# Altium PCB PCB_CAR.PcbDoc (part 1 of 3) (continued)
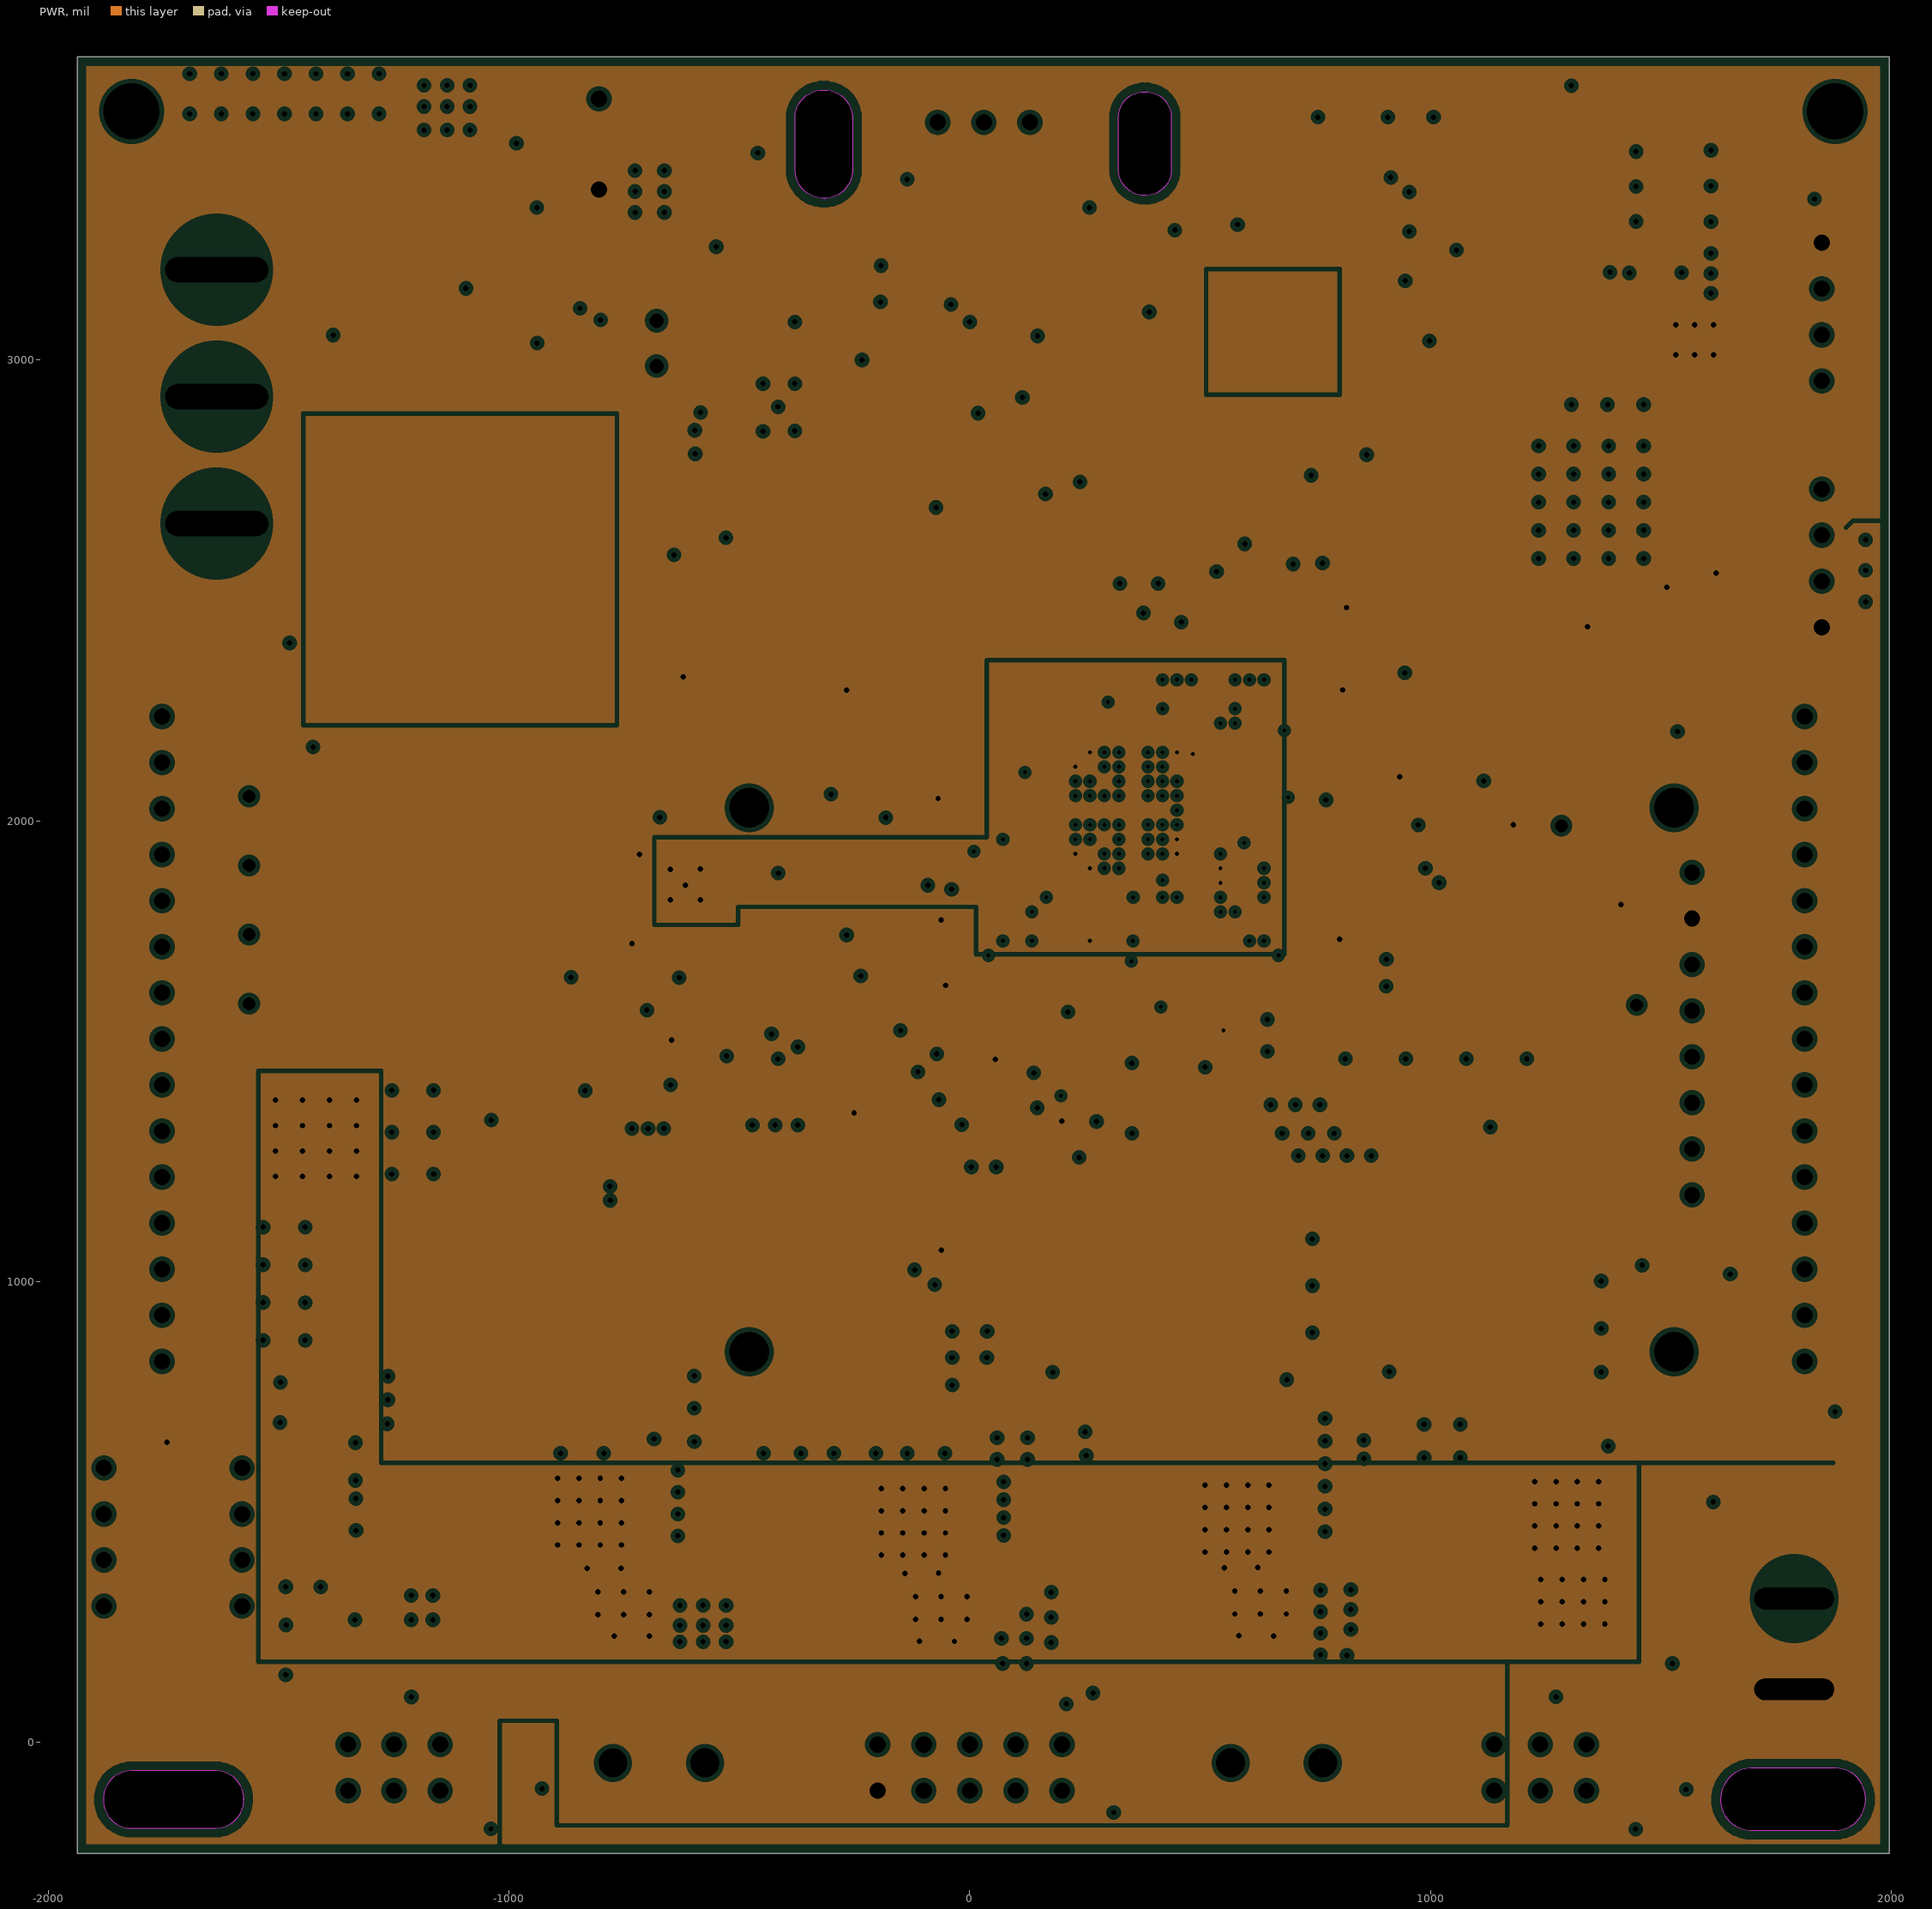
[diagram p3: PWR, clearances drawn from the general rule]

## Layer stack, top to bottom
Top Solder: solder mask 0.4, Solder Resist, Dk 3.5
Top Layer: signal copper 1.4
Dielectric 2: prepreg 2.8, PP-006, Dk 4.1
GND: plane copper 1.378, net (Multiple Nets)
Dielectric 1: dielectric 12.6, FR-4, Dk 4.8
PWR: plane copper 1.378, net (Multiple Nets)
Dielectric 3: prepreg 2.8, PP-006, Dk 4.1
Bottom Layer: signal copper 1.4
Bottom Solder: solder mask 0.4, Solder Resist, Dk 3.5

## Board outline
-1938.14,-241.82 1996.86,-241.82 1996.86,3658.18 -1938.14,3658.18
cut-out: -1881.28,-124.96 ccw(c-1820.03,-126.21) -1821.28,-187.46 -1636.28,-187.46 ccw(c-1638.78,-124.96) -1576.28,-122.46 -1576.28,-124.96 ccw(c-1637.53,-123.71) -1636.28,-62.46 -1821.28,-62.46 ccw(c-1820.03,-123.71)
cut-out: 1629.99,-127.04 ccw(c1696.25,-125.64) 1694.9,-191.9 ccw(c1694.99,-187.28) 1695,-191.9 1879.97,-191.9 ccw(c1880,-186.89) 1880.1,-191.9 ccw(c1878.75,-125.64) 1945.03,-125.64 ccw(c1878.75,-125.64) 1945.02,-124.39 ccw(c1878.65,-123.14) 1945.03,-123.14 ccw(c1878.75,-123.14) 1880.1,-56.87 ccw(c1880.01,-61.5) 1880,-56.87 1695,-56.87 ccw(c1694.99,-61.64) 1694.8,-56.88 ccw(c1697.5,-124.39)
cut-out: 322.56,3412.68 cw(c468.82,3419.03) 322.55,3412.78 322.55,3527.63 cw(c378.79,3526.43) 379.91,3582.67 cw(c377.98,3486.1) 379.94,3582.67 ccw(c380.04,3587.62) 380.17,3582.67 cw(c381.29,3526.43) 437.52,3527.63 cw(c434.77,3527.55) 437.53,3527.58 437.52,3527.68 437.52,3412.73 ccw(c434.68,3412.82) 437.53,3412.78 437.52,3412.73 cw(c381.29,3413.93) 382.44,3357.69 ccw(c382.51,3353.92) 382.34,3357.69 382.44,3357.69 cw(c381.29,3414.04) 380.14,3357.69 ccw(c380.04,3352.69) 379.36,3357.65 cw(c380.04,3415.18)
cut-out: -379.64,3411.43 -379.64,3526.43 cw(c-318.39,3525.18) -317.14,3586.43 cw(c-315.89,3525.18) -254.64,3526.43 -254.64,3411.43 cw(c-315.89,3412.68) -317.14,3351.43 -314.63,3351.43 cw(c-317.14,3413.93)

## Design rules (kind name [scope] priority, off if disabled: settings)
Clearance Clearance_BGA [WithinRoom('BGA')] p1: gap=4 ignorepadtopadclearanceinfootprint=FALSE
Clearance INPG [InPolygon] p2: gap=16 ignorepadtopadclearanceinfootprint=FALSE
Clearance [All] p3: gap=7 ignorepadtopadclearanceinfootprint=FALSE
PlaneClearance [All] p1: clearance=10
PlaneConnect [All] p1: planeconnectstyle=Direct reliefexpansion=20 reliefentries=4 reliefconductorwidth=10 reliefairgap=10
PolygonConnect [All] p1: connectstyle=Direct reliefconductorwidth=10 reliefentries=4 polygonreliefangle="90 Angle" airgapwidth=10
RoomDefinition BGA [InComponentClass('Room Definition 1')] p1: confinementstyle=ConfineIn formatcopy=TRUE lockcomponents=FALSE outline -32.7,1634.8 -32.7,2410.71 743.21,2410.71 743.21,1634.8
RoutingVias RoutingVias_BGA [WithinRoom('BGA')] p1: holewidth=9 width=18 viastyle="Through Hole" minholewidth=9 minwidth=18 maxholewidth=9 maxwidth=18
RoutingVias [All] p2: holewidth=28 width=50 viastyle="Through Hole" minholewidth=12 minwidth=24 maxholewidth=250 maxwidth=400
SolderMaskExpansion [All] p1: expansion=4 istentingtop=FALSE
Width Width_BGA [WithinRoom('BGA')] p1: maxlimit=7 minlimit=7 preferedwidth=7
Width [All] p2: maxlimit=200 minlimit=7 preferedwidth=10
28 further rules are at their usual default settings.

## Classes and differential pairs
component class TC377TP_2: R58
component class TC377TP_1: 3V3 C41 C42 C43 C44 C45 C46 C47 C48 C49 C50 C51 C52 C53 C54 C55 C56 C57 C58 C59 C60 C61 C62 C63 C88 C89 C90 C91 C92 C93 GND JP5 L4 LB2 LB6 LED3 LED6 LED7 Q11 Q13 R3 R4 R8 R39 R40 R41 R42 R49 R50 R52 R53 R54 R55 R56 R60 R61 SW1 TP5 U8 X1
component class OTHER: 1 5V 6.5V bt1 C33 C34 C35 C36 C37 C38 C39 C40 C64 C65 C66 C67 C68 C69 C70 C71 C72 C73 C74 C75 C76 C77 C78 C79 C80 C81 C82 C83 C84 C85 C86 C87 D28 J1 JP7 JP8 JP9 L5 L6 L7 L8 LB1 LB3 LB4 LB5 LED4 LED5 LS1 mm Q12 R51 R57 R66 R67 R68 R69 R70 R71 R72 R73 R74 R75 R76 R77 R78 R79 R80 R81 R82 R83 R84 RF1 RF2 SW2 SW3 SW4 U7 U10 U11 V1 V2 VIN VR1 wifi1
component class MOTOR_DRV: C16 C17 C18 C19 C20 C21 C22 C23 C24 C25 C26 C27 C28 C29 C30 C31 C32 D5 D6 D7 D8 D9 D10 D11 D12 D13 D14 D15 D16 D17 D18 D19 D20 D21 D22 D23 D24 D25 D26 D27 DZ1 DZ2 DZ3 DZ4 DZ5 DZ6 DZ7 DZ8 IC1 JP3 JP4 L2 L3 Q3 Q4 Q5 Q6 Q7 Q8 Q9 Q10 R11 R12 R13 R14 R15 R16 R17 R18 R19 R20 R21 R22 R23 R24 R25 R26 R27 R28 R29 R30 R31 R32 R33 R34 R35 R36 R37 R38 R43 R44 R45 R46 R47 R48 R59 S2 U2 U3 U4 U5 U6
component class LM5116: 7V4 C1 C2 C3 C4 C5 C6 C7 C8 C9 C10 C11 C12 C13 C14 C15 CIN1 D1 D3 DR1 E1 JP1 JP2 L1 LED1 LED2 Q1 Q2 R1 R2 R5 R6 R7 R9 R10 RC RC1 RFB1 RFB2 RLED1 RLED2 S1 U1

## Components (designator, comment, footprint, x,y, rotation, side; value= is the part's Value field where it differs from the comment)
1 "U?" 1.8'TFT 1627.38,748.68 r270 top locked
3V3 "TEST" "TEST 1.6" 1285.47,2421.34 r0 top (schematic designator TP6)
5V "TEST" "TEST 1.6" 1196.71,2922.8 r0 top (schematic designator TP2)
6.5V "TEST" "TEST 1.6" 945.19,2794 r0 top (schematic designator TP4)
7V4 "TEST" "TEST 1.6" -1386.92,1458.65 r0 top (schematic designator TP1)
bt1 "HDR-1X4" HDR2.54-LI-4P 1850,2570 r90 top
C1 "22UF" "C 1206_L" -1470.03,3506.29 r270 top
C2 "22UF" "C 1206_L" -1365.03,3506.29 r270 top
C3 "100UF" "C 1210_L" -1590.03,3506.29 r270 top
C4 "1UF" "C 0805_L" -691.12,2614.83 r90 bottom
C5 "2.2NF" "C 0805_L" -985.03,3136.29 r180 bottom
C6 "4.7UF" "C 0805_L" -270.03,3126.29 r180 bottom
C7 "100NF" "C 0805_L" -270.03,3206.29 r180 bottom
C8 "100UF" "C 1210_L" -1448.03,1901.43 r180 bottom
C9 "100UF" "C 1210_L" -1448.03,2051.43 r180 bottom
C10 "100UF" "C 1210_L" -1448.03,1601.43 r180 bottom
C11 "100UF" "C 1210_L" -1448.03,1751.43 r180 bottom
C12 "120PF" "C 0805_L" -125.03,2879.62 r180 bottom
C13 "100NF" "C 0805_L" -125.03,2801.29 r180 bottom
C14 "6.8PF" "C 0805_L" -207.2,2642.69 r270 bottom
C15 "82PF" "C 0805_L" -320.24,2599.55 r0 bottom
C16 "1UF" "C 1206_L" -1002.67,951.43 r0 top
C17 "1UF" "C 1206_L" -275.12,951.43 r0 top
C18 "22UF" "C 0805_L" -742.03,1235.97 r270 top
C19 "100NF" "C 0805_L" -662.03,1235.97 r270 top
C20 "100NF" "C 0805_L" -528.92,1235.97 r270 top
C21 "22UF" "C 0805_L" -448.92,1235.97 r270 top
C22 "1UF" "C 1206_L" 452.44,951.43 r0 top
C23 "1UF" "C 1206_L" 1183.66,951.43 r0 top
C24 "22UF" "C 0805_L" 204.32,1235.97 r270 top
C25 "100NF" "C 0805_L" 283.32,1235.97 r270 top
C26 "100NF" "C 0805_L" 924.97,1235.97 r270 top
C27 "22UF" "C 0805_L" 1004.97,1235.97 r270 top
C28 "22UF" "C 0805_L" -744.15,1530.32 r0 bottom
C29 "0.1uf" "C 0805_L" -744.15,1449.37 r0 bottom
C30 "10PF" "C 0805_L" -897.33,1491.63 r90 bottom
C31 "22UF" "C 0805_L" -1253.17,1658.86 r270 bottom
C32 "0.1UF" "C 0805_L" -1142.44,1620.2 r180 bottom
C33 "1UF" "C 0805_L" 1172.71,3364.06 r180 top
C34 "10UF" "C 0805_L" 1161.83,3040.43 r180 top
C35 "1UF" "C 0805_L" 1050.87,3082.25 r270 top
C36 "22UF" "C 0805_L" 1342.4,3438 r0 top
C37 "100NF" "C 0805_L" 1343,3358 r0 top
C38 "100NF" "C 0805_L" 1384.65,2979 r90 top
C39 "22UF" "C 0805_L" 1463,2979 r90 top
C40 "22UF" "C 0805_L" 1306.3,2979 r90 top
C41 "20PF" "C 0603_L" 189,1515.67 r90 top
C42 "104" "C 0603_L" 880,2321.97 r0 top
C43 "104" "C 0603_L" 434.61,2198.77 r0 bottom
C44 "104" "C 0603_L" 471.37,1792.96 r45 bottom
C45 "104" "C 0603_L" -83.52,1544.86 r180 top
C46 "104" "C 0603_L" 562,2166.67 r180 bottom
C47 "104" "C 0603_L" -83.12,1603.19 r180 top
C48 "104" "C 0603_L" 269.55,2198.77 r180 bottom
C49 "104" "C 0603_L" 103.28,1483.09 r270 top
C50 "104" "C 0603_L" 141.45,2150.33 r0 bottom
C51 "20PF" "C 0603_L" 427.42,1515.67 r270 top
C52 "104" "C 0603_L" 562,2051.17 r180 bottom
C53 "104" "C 0603_L" 702.3,2493.37 r270 top
C54 "104" "C 0603_L" 141.45,2055.84 r0 bottom
C55 "104" "C 0603_L" 562,1993.42 r180 bottom
C56 "104" "C 0603_L" 221.97,1792.96 r0 bottom
C57 "104" "C 0603_L" 153.97,1954.21 r270 bottom
C58 "104" "C 0603_L" 562,2108.92 r180 bottom
C59 "104" "C 0603_L" 833.49,1640.63 r0 top
C60 "104" "C 0603_L" 765.54,2493.37 r270 top
C61 "2.2UF" "C 0603_L" -99.68,2006.42 r180 top
C62 "104" "C 0603_L" 833.74,1699.43 r0 top
C63 "22UF" "C 0805_L" -140.16,1821.95 r270 top
C64 "47PF NP0" "C 0805_L" 87.52,2808 r90 bottom
C65 "0.1uf" "C 0805_L" 282.66,2809 r270 bottom
C66 "22UF" "C 0805_L" 373.38,3222.71 r90 bottom
C67 "0.1uf" "C 0805_L" 296.45,3222.71 r90 bottom
C68 "0.1uf" "C 0805_L" 570.78,2872.71 r0 bottom
C69 "22UF" "C 0805_L" 778,2794 r180 bottom
C70 "22UF" "C 0805_L" 778,2874 r180 bottom
C71 "10uf" "C 0805_L" -135,1150 r270 bottom
C72 "10UF" "C 0805_L" 65,1030 r90 bottom
C73 "104" "C 0805_L" -10,1030 r90 bottom
C74 "104" "C 0805_L" 237.4,1141.07 r180 bottom
C75 "104" "C 0805_L" 237.4,1300 r180 bottom
C76 "104" "C 0805_L" -1112.46,-189.3 r180 bottom
C77 "104" "C 0805_L" -967.06,-189.3 r0 bottom
C78 "22UF" "C 0805_L" 1385,3502.31 r90 bottom
C79 "22UF" "C 0805_L" 1340,3382.31 r180 bottom
C80 "100NF" "C 0805_L" 1340,3302.31 r180 bottom
C81 "100NF" "C 0805_L" 1530.06,3300 r180 bottom
C82 "22UF" "C 0805_L" 1530.06,3377.5 r180 bottom
C83 "22UF" "C 0805_L" 1530.06,3455 r180 bottom
C84 "100NF" "C 0805_L" 1752.34,3292.1 r90 top
C85 "104" "C 0805_L" 1375.54,-189.3 r180 bottom
C86 "104" "C 0805_L" 1515.54,-189.3 r0 bottom
C87 "100NF" "C 0805_L" 1462,1838 r270 top
C88 "104" "C 0603_L" -876.15,1554.74 r90 top
C89 "22UF" "C 0805_L" -631.15,1739.23 r270 top
C90 "104" "C 0603_L" -263.28,2150.33 r90 top
C91 "104" "C 0603_L" -81.26,2149.65 r90 top
C92 "104" "C 0603_L" 97.41,2466.27 r0 top
C93 "10UF" "C 0805_L" -491.52,1886.77 r0 top
CIN1 "100NF" "C 0805_L" -550.03,3166.29 r270 bottom
D1 "SS34" SMA -670.03,3286.09 r90 bottom
D3 "1N4148W" SOD-123 -691.15,2800.62 r90 bottom
D5 "SS34" SMA -133.99,251.29 r0 top
D6 "SS34" SMA -810.96,251.29 r0 top
D7 "SS34" SMA -848.38,1186.28 r270 top
D8 "SS34" SMA -119.59,1186.28 r270 top
D9 "1N4148" SOD-123 -900.2,706.73 r0 top
D10 "1N4148" SOD-123 -130.8,706.73 r0 top
D11 "SMBJ12" SMA -673,105 r180 bottom
D12 "SS34" SMA -472.47,251.29 r0 top
D13 "SS34" SMA -1149.45,251.29 r0 top
D14 "1N4148" SOD-123 -1336.03,1025.52 r90 top
D15 "1N4148" SOD-123 -687.54,1025.52 r90 top
D16 "SS34" SMA 1219.97,251.29 r0 top
D17 "SS34" SMA 542.99,251.29 r0 top
D18 "SS34" SMA 609.21,1186.28 r270 top
D19 "SS34" SMA 1338,1186.28 r270 top
D20 "1N4148" SOD-123 555.62,706.73 r0 top
D21 "1N4148" SOD-123 1290.24,706.73 r0 top
D22 "SMBJ12" SMA 667,105 r180 bottom
D23 "SS34" SMA 881.48,251.29 r0 top
D24 "SS34" SMA 204.5,251.29 r0 top
D25 "1N4148" SOD-123 123.21,1025.52 r90 top
D26 "1N4148" SOD-123 851,1025.52 r90 top
D27 "SS24" SMA -782.44,1709.65 r270 bottom
D28 "SS14" SMA -45.03,3331.29 r0 top
DR1 "SMAJ30CA" SMA -1590.03,3506.29 r90 bottom
DZ1 "BZT52C18" SOD-123 -1057.5,783.02 r270 top
DZ2 "BZT52C18" SOD-123 -286.92,745.92 r270 top
DZ3 "BZT52C18" SOD-123 -1336.03,792.25 r90 top
DZ4 "BZT52C18" SOD-123 -687.54,792.25 r90 top
DZ5 "BZT52C18" SOD-123 397.32,783.02 r270 top
DZ6 "BZT52C18" SOD-123 1130.42,783.02 r270 top
DZ7 "BZT52C18" SOD-123 123.21,792.25 r90 top
DZ8 "BZT52C18" SOD-123 851,792.25 r90 top
E1 "10uF/50v" "CAP 2.5*5*11-H" -680.03,3036.29 r90 top
GND "TEST" "TEST 1.6" 1044.87,2421.34 r0 top (schematic designator TPG)
IC1 "SX1308" SOT23-6N -967.44,1660.2 r270 bottom
J1 "FPC05-18" FPC-05-18 849.71,3556.79 r0 top
JP1 "HDR-1X15" HDR2.54-LI-15P -1753.64,1526.43 r90 top locked
JP2 "HDR-1X15" HDR2.54-LI-15P 1812.36,1526.43 r90 top locked
JP3 "HDR-1X2" KF2EDGK5.08-LI-2P -675,-45.45 r0 top
JP4 "HDR-1X2" KF2EDGK5.08-LI-2P 666.24,-45.45 r0 top
JP5 "Header 5X2" IDC2.54-LI-2x5P -200,-105.62 r0 top
JP7 "HDR-1X3" XH2.54-LI-3P 30.39,3516.29 r180 top
JP8 "Header3X2" IDC2.54-LI-2x3P -1150,-5.45 r180 top
JP9 "Header3X2" IDC2.54-LI-2x3P 1338.58,-5.45 r180 top
L1 "3.3UH" SMD-L-1770 -1095.03,2576.29 r180 bottom
L2 "4.7UF" L-SMD-0630 -1007.44,1921.63 r180 bottom
L3 "10uH" "L 0805_L" -1142.48,1696.97 r0 bottom
L4 "3.3UH" L-SMD-0420 -472.45,1756.23 r180 top
L5 "10UF" L-SMD-0630 658.38,3061.37 r180 bottom
L6 "10uH" "L 0805_L" 180.68,3331.29 r180 top
L7 "10uH" "L 0805_L" -1138,98 r0 bottom
L8 "10uH" "L 0805_L" 1340,98 r0 bottom
LB1 "500R@100MHz" "FB 0805_L" 1161.83,3119.65 r180 top
LB2 "500R@100MHz" "FB 0603_L" -236.85,2242.45 r0 top
LB3 "500R@100MHz" "FB 0805_L" -1022,-101 r0 bottom
LB4 "500R@100MHz" "FB 0805_L" 1300,3502.31 r270 bottom
LB5 "500R@100MHz" "FB 0805_L" 1465,-101 r0 bottom
LB6 "500R@100MHz" "FB 0603_L" -236.26,2057.64 r180 top
LED1 "红色" "LED 0805G" -1272.28,2893.55 r270 top
LED2 "红色" "LED 0805G" -1483,2314 r0 top
LED3 "红色" "LED 0603Y" 1185.21,2155 r0 top
LED4 "红色" "LED 0603Y" 1620,2759.59 r90 top
LED5 "红色" "LED 0603Y" 1513,2759.59 r90 top
LED6 "红色" "LED 0603Y" -449,2391.26 r0 top
LED7 "红色" "LED 0603Y" -449,2233.02 r0 top
LS1 "DC5V" "BEEP 5x9x5.5" -805,3468.96 r0 top
Q1 "IRFH7440TRPBF" PQFN-8P_L5.8-W4.9-P1.27-LS6.0-BL -1325.03,3256.29 r180 bottom
Q2 "IRFH7440TRPBF" PQFN-8P_L5.8-W4.9-P1.27-LS6.0-BL -1100.03,3321.29 r0 bottom
Q3 "IRFH7440TRPBF" PQFN-8P_L5.8-W4.9-P1.27-LS6.0-BL -850.77,474.31 r270 top
Q4 "IRFH7440TRPBF" PQFN-8P_L5.8-W4.9-P1.27-LS6.0-BL -148.43,474.31 r270 top
Q5 "IRFH7440TRPBF" PQFN-8P_L5.8-W4.9-P1.27-LS6.0-BL -1201.94,474.31 r270 top
Q6 "IRFH7440TRPBF" PQFN-8P_L5.8-W4.9-P1.27-LS6.0-BL -499.6,474.31 r270 top
Q7 "IRFH7440TRPBF" PQFN-8P_L5.8-W4.9-P1.27-LS6.0-BL 553.92,474.31 r270 top
Q8 "IRFH7440TRPBF" PQFN-8P_L5.8-W4.9-P1.27-LS6.0-BL 1256.26,474.31 r270 top
Q9 "IRFH7440TRPBF" PQFN-8P_L5.8-W4.9-P1.27-LS6.0-BL 202.75,474.31 r270 top
Q10 "IRFH7440TRPBF" PQFN-8P_L5.8-W4.9-P1.27-LS6.0-BL 905.09,474.31 r270 top
Q11 "MMBT5401-C8326" SOT23-3L 1030.94,2118.3 r270 top
Q12 "MMBT5551" SOT23-3L -535,3582.32 r0 top
Q13 "AO6604_C709896" TSOP-6_L3.0-W1.5-P0.95-LS2.8-BR -265,1783 r0 top
R1 "1M" "R 0805_L" -125.03,2957.96 r0 bottom
R2 "18.7K 1%" "R 0805_L" -380.03,3166.29 r90 bottom
R3 "1K" "R 0603_L" 1185.9,2085.64 r0 top
R4 "10K" "R 0603_L" -780.88,1524.31 r0 top
R5 "2.15K 1%" "R 0805_L" -465.03,3166.29 r270 bottom
R6 "4.7K" "R 0805_L" -125.03,3036.29 r180 bottom
R7 "10K" "R 0805_L" -529.43,2696.29 r270 bottom
R8 "500R" "R 0603_L" -780.88,1588.79 r0 top
R9 "10mR" "R 1206_L" -1230.03,3561.41 r0 bottom
R10 "237K" "R 0805_L" -320.24,2519 r0 bottom
R11 "10R" "R 0805_L" -974.77,827.52 r270 top
R12 "10R" "R 0805_L" -207.21,827.52 r270 top
R13 "2.2R" "R 0805_L" -905,1364.5 r0 top
R14 "2.2R" "R 0805_L" -176.55,1364.5 r0 top
R15 "5.1R" "R 0805_L" -894.16,827.52 r270 top
R16 "5.1R" "R 0805_L" -129.56,827.52 r270 top
R17 "20K" "R 0805_L" -1140.03,827.52 r270 top
R18 "20K" "R 0805_L" -367.04,724.75 r270 top
R19 "5.1R" "R 0805_L" -1211.74,1094.01 r180 top
R20 "5.1R" "R 0805_L" -489.52,1094.01 r180 top
R21 "20K" "R 0805_L" -1248.44,900 r90 top
R22 "20K" "R 0805_L" -598.36,899.93 r90 top
R23 "10R" "R 0805_L" -489.52,1014.58 r180 top
R24 "10R" "R 0805_L" -1211.74,1014.58 r180 top
R25 "10R" "R 0805_L" 478.93,827.52 r270 top
R26 "10R" "R 0805_L" 1211.97,827.52 r270 top
R27 "2.2R" "R 0805_L" 555.73,1364.5 r0 top
R28 "2.2R" "R 0805_L" 1281.36,1364.5 r0 top
R29 "5.1R" "R 0805_L" 557.1,827.52 r270 top
R30 "5.1R" "R 0805_L" 1292.31,827.52 r270 top
R31 "20K" "R 0805_L" 314.38,827.52 r270 top
R32 "20K" "R 0805_L" 1045.32,827.52 r270 top
R33 "5.1R" "R 0805_L" 242.29,1094.01 r180 top
R34 "5.1R" "R 0805_L" 971.25,1094.01 r180 top
R35 "20K" "R 0805_L" 210,900 r90 top
R36 "20K" "R 0805_L" 941.59,899.81 r90 top
R37 "10R" "R 0805_L" 242.29,1014.58 r180 top
R38 "10R" "R 0805_L" 971.25,1014.58 r180 top
R39 "10K" "R 0603_L" 880,2155 r180 top
R40 "10K" "R 0603_L" 902.72,1871.27 r0 top
R41 "10K" "R 0603_L" 1105,1991.26 r0 top
R42 "10K" "R 0603_L" 902.72,1931.26 r0 top
R43 "47K" "R 0805_L" -977.38,1491.63 r90 bottom
R44 "2K" "R 0805_L" -1057.44,1491.63 r270 bottom
R45 "1K" "R 0805_L" 1546.97,403.29 r270 bottom
R46 "1K" "R 0805_L" 1732.97,600.29 r180 bottom
R47 "10K" "R 0805_L" 1732.97,680.29 r0 bottom
R48 "1K" "R 0805_L" 1878.75,483.69 r270 bottom
R49 "10K" "R 0805_L" -314,-106 r270 bottom
R50 "10K" "R 0603_L" 902.72,1991.26 r0 top
R51 "1K" "R 0603_L" 1620,2620 r270 top
R52 "10K" "R 0603_L" 1105,1871.27 r0 top
R53 "0R" "R 0603_L" -171.02,2182.4 r0 top
R54 "0R" "R 0603_L" -170.76,2117.24 r180 top
R55 "0R" "R 0603_L" 130.37,2552.8 r270 top
R56 "0R" "R 0603_L" 66.1,2552.59 r90 top
R57 "1K" "R 0603_L" 1513,2620 r270 top
R58 "10K" "R 0603_L" 504.76,1566.99 r270 top
R59 "20K" "R 0805_L" 1878.75,625 r90 bottom
R60 "1K" "R 0603_L" -591.33,2391.64 r180 top
R61 "1K" "R 0603_L" -591.33,2232.64 r180 top
R66 "10K" "R 0805_L" -1705,295 r0 bottom
R67 "10K" "R 0805_L" -1705,395 r0 bottom
R68 "10K" "R 0805_L" -1705,495 r0 bottom
R69 "10K" "R 0805_L" -1705,595 r0 bottom
R70 "100K" "R 0805_L" 210.52,3061.37 r270 bottom
R71 "0R" "R 0805_L" 217.05,2940.42 r180 bottom
R72 "10K" "R 0805_L" -827,1733 r180 top
R73 "10K" "R 0805_L" -827,1901.43 r180 top
R74 "100K" "R 0805_L" 363.97,2809 r270 bottom
R75 "10R" "R 0805_L" 458.38,2902.71 r270 bottom
R76 "4.7K" "R 0805_L" -189.44,1264.63 r180 bottom
R77 "4.7K" "R 0805_L" -150,1345 r180 bottom
R78 "1K" "R 0805_L" -535,3366.36 r0 top
R79 "10K" "R 0805_L" -535,3450 r0 top
R80 "10K" "R 0805_L" 237.4,1220.53 r180 bottom
R81 "10K" "R 0805_L" -1212,180 r0 bottom
R82 "10K" "R 0805_L" -1022,-15 r0 bottom
R83 "10K" "R 0805_L" 1277.6,180 r0 bottom
R84 "10K" "R 0805_L" 1465,-15 r0 bottom
RC "0R" "R 0805_L" 1434.08,961.45 r180 top
RC1 "5.1R" "R 0805_L" -940.03,3248.69 r90 bottom
RF1 "475K" "R 0805_L" 168.38,2809 r270 bottom
RF2 "30K" "R 0805_L" 91.87,3100 r180 bottom
RFB1 "53.6K 1%" "R 0805_L" -320.24,2680.1 r0 bottom
RFB2 "10.2K%" "R 0805_L" -122.2,2642.69 r90 bottom
RLED1 "10K" "R 0805_L" -1272.3,3036.34 r90 top
RLED2 "10K" "R 0805_L" -1480.6,2229 r0 top
S1 "KCD1-101" KEY-TH_CN-KCD1-101-3P -1649.73,2922.3 r90 top
S2 "6x6x5" KEY-TH_CN-KCD11 1789.97,251.29 r90 top
SW1 "3x6x5" "TSW SMD-3*6*2.5" -1114,1563 r0 top
SW2 "CSW-4P" "CSW DIP-4P" -1730,445 r90 top
SW3 "3x6x5" "TSW SMD-3*6*2.5" -1116.31,1732.22 r180 top
SW4 "3x6x5" "TSW SMD-3*6*2.5" -1116.31,1901.43 r180 top
TP5 "TEST" "TEST 1.6" -669.88,2073.64 r0 top
U1 "LM5116MH/NOPB" HTSSOP-20_L6.5-W4.4-P0.65-LS6.4-BL-EP -422.17,2896.29 r270 bottom value=N/A
U2 "IR2104" SOP8_M -1027.67,1162.82 r270 top
U3 "IR2104" SOP8_M -300.12,1162.82 r270 top
U4 "IR2104" SOP8_M 427.42,1162.82 r270 top
U5 "IR2104" SOP8_M 1154.97,1162.82 r270 top
U6 "SN74AHC1G08DBVRG4" SOT23-5L 1715.09,483.69 r90 bottom
U7 "LP5907MFX-3.3/NOPB" SOT23-5L 1155,3238 r270 top
U8 "SAL-TC377TP-96F300S AA" BGA292C80P20X20 355.25,2022.76 r270 top
U10 "MP2315GJ-Z" TSOT-23-8 286.91,3062.13 r90 bottom
U11 "MPU6050-YJLTY" QFN-24_L4.0-W4.0-P0.50-BL-EP2.7 30.39,1220.7 r0 bottom
V1 "LM2940-3.3V" SOT223_L 1495,3190.02 r0 top
V2 "LM2940-5.0V" TO263-3A 1390,2930 r270 bottom
VIN "TEST" "TEST 1.6" -1095.03,3239.79 r0 top (schematic designator TP3)
VR1 "50k" RES-ADJ-SMD_3224W 52.5,2987.08 r270 top
wifi1 "HDR-1X4" HDR2.54-LI-4P 1850,3105 r90 top
X1 "20M" "OSC 3225-4P" 308.01,1510.87 r0 top
